# Altium PCB Kasli-DIOT.PCBDOC (part 4 of 21) (continued)
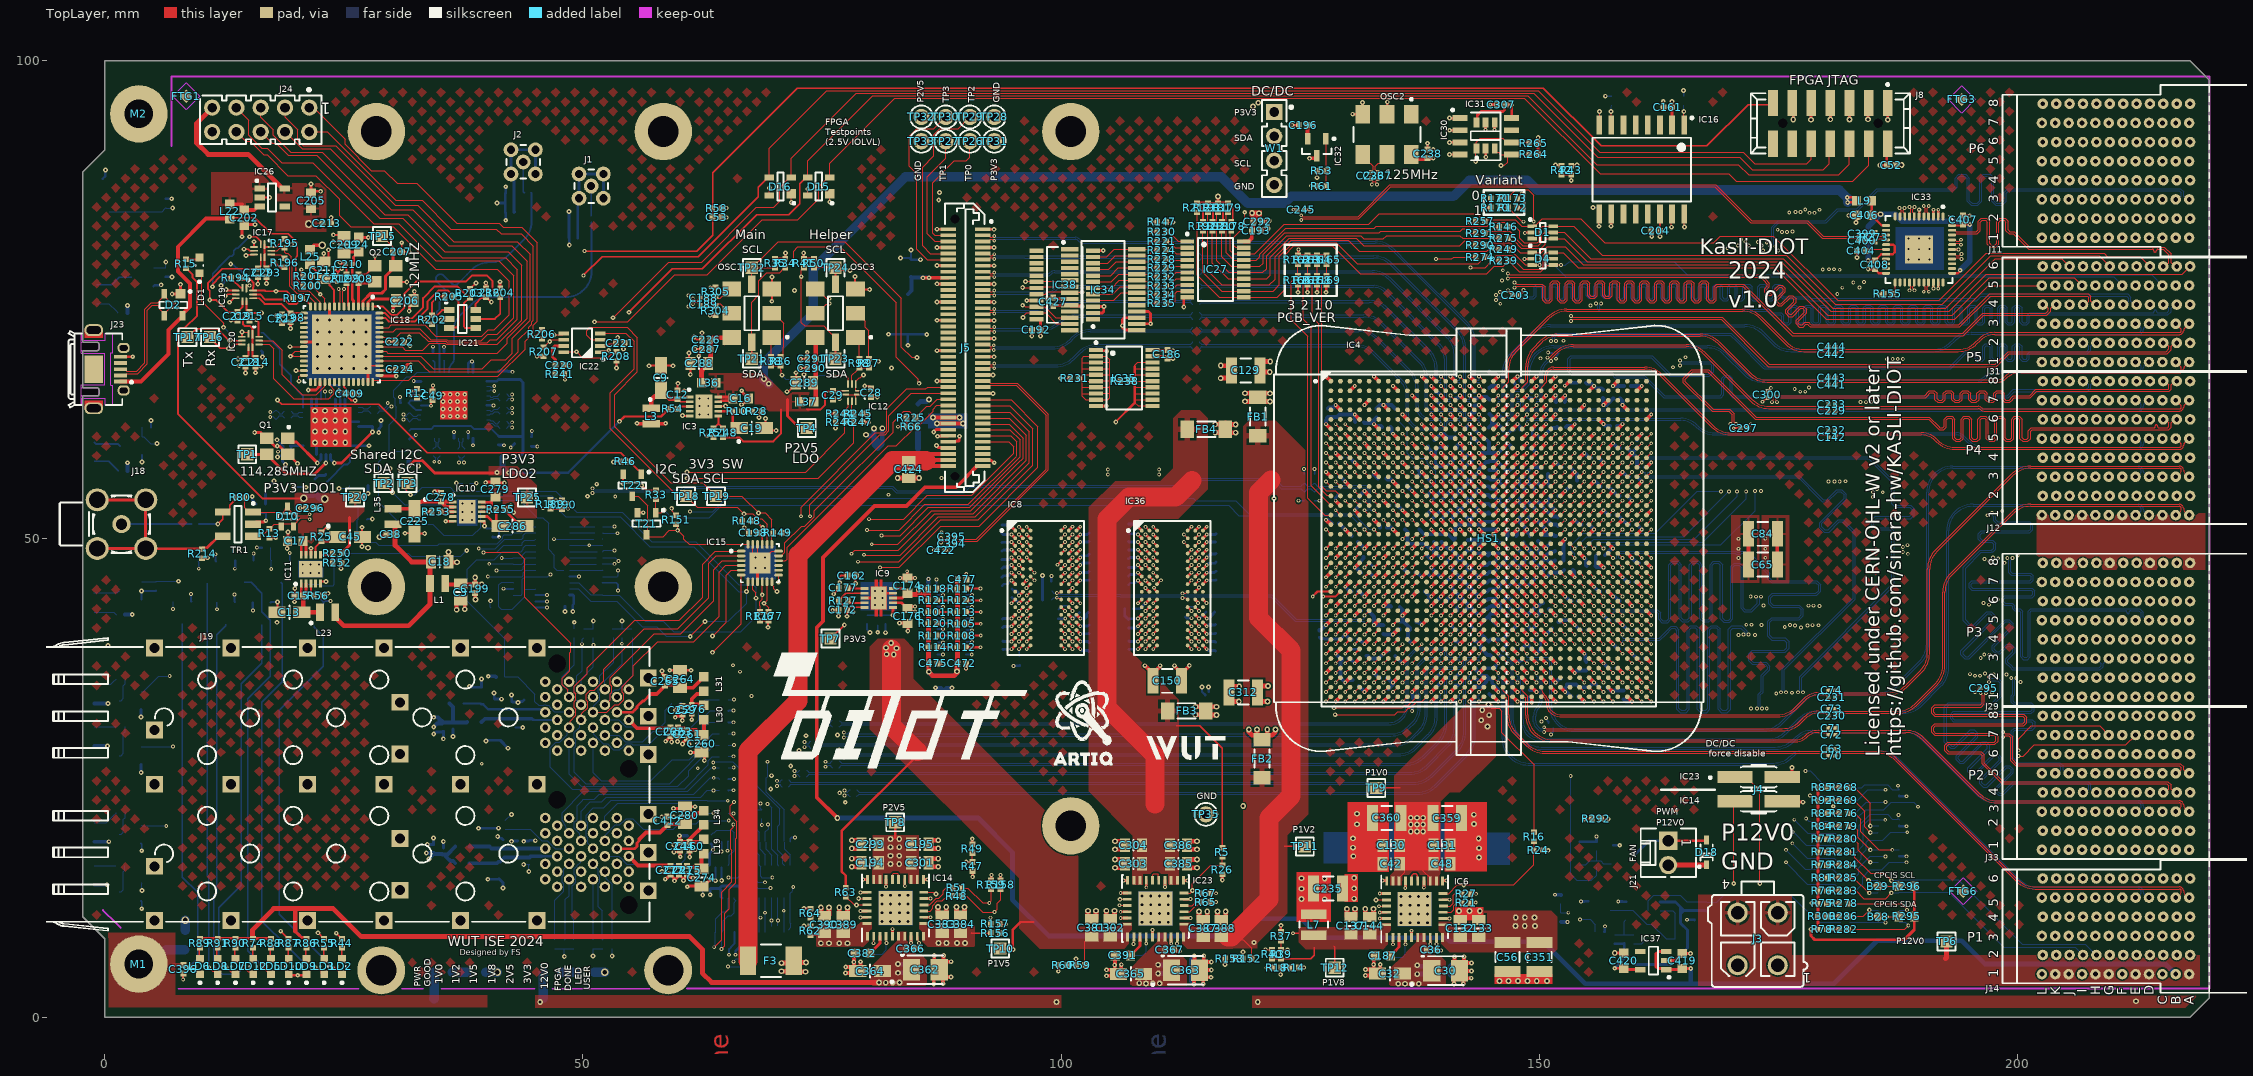
[diagram p0: TopLayer view]
## Part data (continued)
OSC2: library part OSC_125MHZ_SILICON-LAB_510FBA125M000AAG, "Crystal Oscillator 6 pins, Si510 (LVDS/LVPECL/HCSL/Dual CMOS)", Manufacturer="SILICON LABS", Manufacturer Part Number=510FBA125M000AAG, Author="CERN DEM JMW", Bonding=No, ComponentHeight=1.8mm, Component Type=Standard, CreateDate=2015-08-10, HelpURL=\\cern.ch\dfs\Applications\Altium\Datasheets\OSC_SILICON-LAB_SI510.pdf, LatestRevisionDate=2015-08-10, Mounted=Yes, PackageDescription="Oscillator Si510 Series, 6 pins, 5x7mm", Part Description="2.5V ±25ppm LVDS Crystal Oscillator (XO), Si510 Series", Part Number=OSC_125MHZ_SILICON-LAB_510FBA125M000AAG, Pin Count=6, PressFit=No, Sense=No, SMD=Yes, Socket=No
Plate1 Plate2 Plate3 Plate4: library part AMPHENOL_U77A11108000P, "Plastic Dust Cover SFP Cage", Manufacturer=AMPHENOL, Manufacturer Part Number=U77A11108000P, Author="CERN DEM BC", ComponentHeight=10.2mm, Component Type=Standard, CreateDate=28.10.2019, HelpURL=\\cern.ch\dfs\Applications\Altium\Datasheets\AMPHENOL_U77A11108000P.pdf, LatestRevisionDate=28.10.2019, Mounted=Yes, PackageDescription="Plastic Dust Cover SFP Cage", Part Description="Plastic Dust Cover SFP Cage", Part Number=AMPHENOL_U77A11108000P, Pin Count=0, PressFit=No, Sense=No, SMD=No, Socket=No, Status=None
Q1: library part XTAL_114.285MHZ_CONNOR_CS-023, "Crystal 4 pins 1=XTAL Control 2=GND3=XTAL 4=GND", Manufacturer=CONNOR-WINFIELD, Manufacturer Part Number=CS-023-114.285M, Author="CERN DEM JLC", Bonding=No, ComponentHeight=0.8mm, Component Type=Standard, CreateDate=2014-07-08, HelpURL=\\cern.ch\dfs\Applications\Altium\Datasheets\XTAL_CONNOR_CS-023.pdf, LatestRevisionDate=2014-07-08, Mounted=Yes, PackageDescription="4 Pins, 2.5x3.2mm, SMD Sealing Crystal, CS Series", Part Description="±20ppm 18pF -40°C to +85°C  4 Pins, 3.2x2.5X0.8mm, SMD Crystal Unit, CS-018 Series", Part Number=XTAL_114.285MHZ_CONNOR_CS-023, Pin Count=4, PressFit=No, Sense=No, SMD=Yes, Socket=No
Q2: library part XTAL_12MHZ_TXC_7M-12.000MAAJ-T, "Crystal 4 pins 1=XTAL Control 2=GND3=XTAL 4=GND", Manufacturer="TXC CORPORATION", Manufacturer Part Number=7M-12.000MAAJ-T, Author="CERN DEM JLC", Bonding=No, ComponentHeight=0.8mm, Component Type=Standard, CreateDate=19.06.2012, HelpURL=\\cern.ch\dfs\Applications\Altium\Datasheets\XTAL_TXC_7M.pdf, LatestRevisionDate=19.06.2012, Mounted=Yes, PackageDescription="4 Pins, 2.5x3.2mm, SMD Sealing Crystal, 7M Serie", Part Description="±30ppm 18pF -20°C to +70°C  4 Pins, 3.2x2.5X0.8mm, SMD Sealing Crystal, 7M Series", Part Number=XTAL_12MHZ_TXC_7M-12.000MAAJ-T, Pin Count=4, PressFit=No, Sense=No, SMD=Yes, Socket=No
R1 R2 R4 R5 R16 R18 R31 R33 R40 R46 R58 R60 R63 R66 R75 R76 R77 R78 R79 R81 R85 R92 R127 R128 R129 R130 R133 R134 R135 R136 R137 R138 R139 R140 R141 R144 R145 R151 R152 R153 R154 R155 R158 R159 R174 R176 R177 R183 R184 R185 R186 R187 R188 R189 R190 R193 R194 R195 R196 R197 R198 R201 R202 R203 R204 R206 R207 R209 R210 R211 R213 R215 R217 R218 R219 R222 R223 R225 R242 R243 R244 R245 R246 R247 R252 R256 R260 R261 R264 R265: library part R0402_10K_1%_0.0625W_100PPM, "Resistor - 1%", Case=0402, Manufacturer=GENERIC, Manufacturer1 ComponentHeight=0.4mm, Manufacturer1 Example="YAGEO PHYCOMP", Manufacturer1 Part Number=232270671003L, Power=0.0625W, Tolerance=±1%, Author="CERN DEM JLC", Component Type=Standard, HelpURL=\\cern.ch\dfs\Applications\Altium\Datasheets\R0402_Phycomp_RC0402.pdf, Manufacturer Part Number=R0402_10K_1%_0.0625W_100PPM, Mounted=Yes, Part Description="General Purpose Thick Film Chip Resistor", Part Number=R0402_10K_1%_0.0625W_100PPM, Pin Count=2, PressFit=No, Sense=No, SMD=Yes, Socket=No, Status="Not Recommended", TC=±100ppm/°C
  R1 R2 R4 R5 R16 R18 R31 R33 R40 R46 R60 R63 R66 R75 R76 R77 R78 R79 R81 R85 R92 R127 R128 R129 R130 R133 R134 R135 R136 R137 R138 R139 R140 R141 R144 R145 R151 R152 R153 R154 R155 R158 R159 R174 R176 R177 R183 R184 R185 R186 R187 R188 R189 R190 R193 R194 R195 R196 R197 R198 R201 R202 R203 R204 R206 R207 R209 R210 R211 R213 R215 R217 R218 R219 R222 R223 R225 R242 R243 R244 R245 R246 R247 R252 R256 R264 R265: CreateDate=03.12.2007, LatestRevisionDate=17.10.2012
  R58: ClassName=FPGA_JTAG, CreateDate=03.12.2007, LatestRevisionDate=17.10.2012
  R260 R261: CreateDate=03/12/2007, LatestRevisionDate=17/10/2012
R3 R6 R12 R273: library part R0402_100R_1%_0.0625W_100PPM, "Resistor - 1%", Case=0402, Manufacturer=GENERIC, Manufacturer1 ComponentHeight=0.4mm, Manufacturer1 Example="YAGEO PHYCOMP", Manufacturer1 Part Number=232270671001L, Power=0.0625W, Tolerance=±1%, Author="CERN DEM JLC", Component Type=Standard, CreateDate=03.12.2007, HelpURL=\\cern.ch\dfs\Applications\Altium\Datasheets\R0402_Phycomp_RC0402.pdf, LatestRevisionDate=17.10.2012, Manufacturer Part Number=R0402_100R_1%_0.0625W_100PPM, Mounted=Yes, Part Description="General Purpose Thick Film Chip Resistor", Part Number=R0402_100R_1%_0.0625W_100PPM, Pin Count=2, PressFit=No, Sense=No, SMD=Yes, Socket=No, Status="Not Recommended", TC=±100ppm/°C
R7 R8: library part R0402_49R9_1%_0.0625W_100PPM, "Resistor - 1%", Case=0402, Manufacturer=GENERIC, Manufacturer1 ComponentHeight=0.4mm, Manufacturer1 Example="YAGEO PHYCOMP", Manufacturer1 Part Number="232270674999L or RC0402FR-0749R9L", Power=0.0625W, Tolerance=±1%, Author="CERN DEM JLC", Component Type=Standard, CreateDate=24.10.2012, HelpURL=\\cern.ch\dfs\Applications\Altium\Datasheets\R0402_Phycomp_RC0402.pdf, LatestRevisionDate=24.10.2012, Manufacturer Part Number=R0402_49R9_1%_0.0625W_100PPM, Mounted=Yes, Part Description="General Purpose Thick Film Chip Resistor", Part Number=R0402_49R9_1%_0.0625W_100PPM, Pin Count=2, PressFit=No, Sense=No, SMD=Yes, Socket=No, Status="Not Recommended", TC=±100ppm/°C
R9: library part R0402_68R_1%_0.0625W_100PPM, "Resistor - 1%", Case=0402, Manufacturer=GENERIC, Manufacturer1 ComponentHeight=0.4mm, Manufacturer1 Example="YAGEO PHYCOMP", Manufacturer1 Part Number=232270676809L, Power=0.0625W, Tolerance=±1%, Author="CERN DEM JLC", Component Type=Standard, CreateDate=03.12.2007, HelpURL=\\cern.ch\dfs\Applications\Altium\Datasheets\R0402_Phycomp_RC0402.pdf, LatestRevisionDate=17.10.2012, Manufacturer Part Number=R0402_68R_1%_0.0625W_100PPM, Mounted=Yes, Part Description="General Purpose Thick Film Chip Resistor", Part Number=R0402_68R_1%_0.0625W_100PPM, Pin Count=2, PressFit=No, Sense=No, SMD=Yes, Socket=No, Status="Not Recommended", TC=±100ppm/°C
R10 R49: library part R0402_24K_1%_0.0625W_100PPM, "Resistor - 1%", Case=0402, Manufacturer=GENERIC, Manufacturer1 ComponentHeight=0.4mm, Manufacturer1 Example="YAGEO PHYCOMP", Manufacturer1 Part Number=232270672403L, Power=0.0625W, Tolerance=±1%, Author="CERN DEM JLC", Component Type=Standard, CreateDate=03.12.2007, HelpURL=\\cern.ch\dfs\Applications\Altium\Datasheets\R0402_Phycomp_RC0402.pdf, LatestRevisionDate=17.10.2012, Manufacturer Part Number=R0402_24K_1%_0.0625W_100PPM, Mounted=Yes, Part Description="General Purpose Thick Film Chip Resistor", Part Number=R0402_24K_1%_0.0625W_100PPM, Pin Count=2, PressFit=No, Sense=No, SMD=Yes, Socket=No, Status="Not Recommended", TC=±100ppm/°C
R11 R20 R99 R100 R142 R143 R216 R220 R226: library part R0402_240R_1%_0.0625W_100PPM, "Resistor - 1%", Case=0402, Manufacturer=GENERIC, Manufacturer1 ComponentHeight=0.4mm, Manufacturer1 Example="YAGEO PHYCOMP", Manufacturer1 Part Number=232270672401L, Power=0.0625W, Tolerance=±1%, Author="CERN DEM JLC", Component Type=Standard, HelpURL=\\cern.ch\dfs\Applications\Altium\Datasheets\R0402_Phycomp_RC0402.pdf, Manufacturer Part Number=R0402_240R_1%_0.0625W_100PPM, Mounted=Yes, Part Description="General Purpose Thick Film Chip Resistor", Part Number=R0402_240R_1%_0.0625W_100PPM, Pin Count=2, PressFit=No, Sense=No, SMD=Yes, Socket=No, Status="Not Recommended", TC=±100ppm/°C
  R11 R20 R142 R143 R216 R220 R226: CreateDate=03.12.2007, LatestRevisionDate=17.10.2012
  R99 R100: CreateDate=12/3/2007, LatestRevisionDate=10/17/2012
R13 R21 R27 R29 R30 R36 R38 R48 R51 R53 R54 R56 R65 R67 R80 R82 R97 R98 R131 R132 R146 R175 R214 R236 R237 R238 R239 R249 R253 R257 R274 R275 R290 R291 R292: library part R0402_0R_JUMPER, "Resistor", Case=0402, Manufacturer=GENERIC, Manufacturer1 ComponentHeight=0.4mm, Manufacturer1 Example="YAGEO PHYCOMP", Manufacturer1 Part Number=232270591001L, Author="CERN DEM JLC", Component Type=Standard, HelpURL=\\cern.ch\dfs\Applications\Altium\Datasheets\R0402_Phycomp_RC0402.pdf, Manufacturer Part Number=R0402_0R_JUMPER, Mounted=Yes, Part Description="1A (0.05R Max DC Resistance) Zero Ohm Jumper", Part Number=R0402_0R_JUMPER, Pin Count=2, PressFit=No, Sense=No, SMD=Yes, Socket=No, Status="Not Recommended"
  R13 R21 R27 R29 R30 R36 R38 R48 R51 R54 R56 R65 R67 R80 R82 R97 R98 R146 R175 R214 R236 R237 R238 R239 R249 R253 R257 R274 R275 R290 R291 R292: CreateDate=03.12.2007, LatestRevisionDate=17.10.2012
  R53: ClassName=Artix, CreateDate=03.12.2007, LatestRevisionDate=17.10.2012
  R131 R132: CreateDate=2007-12-03, LatestRevisionDate=2012-10-17
R14: library part R0402_20K_1%_0.0625W_100PPM, "Resistor - 1%", Case=0402, Manufacturer=GENERIC, Manufacturer1 ComponentHeight=0.4mm, Manufacturer1 Example="YAGEO PHYCOMP", Manufacturer1 Part Number=232270672003L, Power=0.0625W, Tolerance=±1%, Author="CERN DEM JLC", Component Type=Standard, CreateDate=03.12.2007, HelpURL=\\cern.ch\dfs\Applications\Altium\Datasheets\R0402_Phycomp_RC0402.pdf, LatestRevisionDate=17.10.2012, Manufacturer Part Number=R0402_20K_1%_0.0625W_100PPM, Mounted=Yes, Part Description="General Purpose Thick Film Chip Resistor", Part Number=R0402_20K_1%_0.0625W_100PPM, Pin Count=2, PressFit=No, Sense=No, SMD=Yes, Socket=No, Status="Not Recommended", TC=±100ppm/°C
R15 R44 R55 R87: library part R0402_1k_1%_0.0625W_100PPM, "Resistor - 1%", Case=0402, Manufacturer=GENERIC, Manufacturer1 ComponentHeight=0.4mm, Manufacturer1 Example="YAGEO PHYCOMP", Manufacturer1 Part Number=232270671002L, Manufacturer Part Number=R0402_1K_1%_0.0625W_100PPM, Power=0.0625W, Tolerance=±1%, Author="CERN DEM JLC", Component Type=Standard, CreateDate=03.12.2007, HelpURL=\\cern.ch\dfs\Applications\Altium\Datasheets\R0402_Phycomp_RC0402.pdf, LatestRevisionDate=17.10.2012, Mounted=Yes, Part Description="General Purpose Thick Film Chip Resistor", Part Number=R0402_1K_1%_0.0625W_100PPM, Pin Count=2, PressFit=No, Sense=No, SMD=Yes, Socket=No, Status="Not Recommended", TC=±100ppm/°C
  R44 R55: ClassName=Artix
R17 R73 R83 R84 R125 R300: library part R0402_4K7_1%_0.0625W_100PPM, "Resistor - 1%", Case=0402, Manufacturer=GENERIC, Manufacturer1 ComponentHeight=0.4mm, Manufacturer1 Example="YAGEO PHYCOMP", Manufacturer1 Part Number=232270674702L, Power=0.0625W, Tolerance=±1%, Author="CERN DEM JLC", Component Type=Standard, HelpURL=\\cern.ch\dfs\Applications\Altium\Datasheets\R0402_Phycomp_RC0402.pdf, Manufacturer Part Number=R0402_4K7_1%_0.0625W_100PPM, Mounted=Yes, Part Description="General Purpose Thick Film Chip Resistor", Part Number=R0402_4K7_1%_0.0625W_100PPM, Pin Count=2, PressFit=No, Sense=No, SMD=Yes, Socket=No, Status="Not Recommended", TC=±100ppm/°C
  R17 R125: CreateDate=03.12.2007, LatestRevisionDate=17.10.2012
  R73 R83 R84 R300: CreateDate=03-Dec-07, LatestRevisionDate=17-Oct-12
R19 R23 R34 R35 R41 R45 R50 R94 R95 R96 R148 R149 R200 R205 R208 R227: library part R0402_2K2_1%_0.0625W_100PPM, "Resistor - 1%", Case=0402, Manufacturer=GENERIC, Manufacturer1 ComponentHeight=0.4mm, Manufacturer1 Example="YAGEO PHYCOMP", Manufacturer1 Part Number=232270672202L, Power=0.0625W, Tolerance=±1%, Author="CERN DEM JLC", Component Type=Standard, CreateDate=03.12.2007, HelpURL=\\cern.ch\dfs\Applications\Altium\Datasheets\R0402_Phycomp_RC0402.pdf, LatestRevisionDate=17.10.2012, Manufacturer Part Number=R0402_2K2_1%_0.0625W_100PPM, Mounted=Yes, Part Description="General Purpose Thick Film Chip Resistor", Part Number=R0402_2K2_1%_0.0625W_100PPM, Pin Count=2, PressFit=No, Sense=No, SMD=Yes, Socket=No, Status="Not Recommended", TC=±100ppm/°C
  R19 R23 R45 R94 R95 R96 R227: ClassName=Artix
R22 R304 R305: library part R0402_200R_1%_0.0625W_100PPM, "Resistor - 1%", Case=0402, Manufacturer=GENERIC, Manufacturer1 ComponentHeight=0.4mm, Manufacturer1 Example="YAGEO PHYCOMP", Manufacturer1 Part Number=232270672001L, Power=0.0625W, Tolerance=±1%, Author="CERN DEM JLC", Component Type=Standard, CreateDate=03.12.2007, HelpURL=\\cern.ch\dfs\Applications\Altium\Datasheets\R0402_Phycomp_RC0402.pdf, LatestRevisionDate=17.10.2012, Manufacturer Part Number=R0402_200R_1%_0.0625W_100PPM, Mounted=Yes, Part Description="General Purpose Thick Film Chip Resistor", Part Number=R0402_200R_1%_0.0625W_100PPM, Pin Count=2, PressFit=No, Sense=No, SMD=Yes, Socket=No, Status="Not Recommended", TC=±100ppm/°C
R24 R26 R32 R39 R59 R64: library part R0402_15K_1%_0.0625W_100PPM, "Resistor - 1%", Case=0402, Manufacturer=GENERIC, Manufacturer1 ComponentHeight=0.4mm, Manufacturer1 Example=VISHAY, Manufacturer1 Part Number=CRCW040215K0FK, Power=0.0625W, Tolerance=±1%, Author="CERN DEM JMW", Component Type=Standard, CreateDate=06.07.2015, HelpURL="\\cern.ch\dfs\Applications\Altium\Datasheets\R0402_VISHAY_CRCW e3.pdf", LatestRevisionDate=06.07.2015, Manufacturer Part Number=R0402_15K_1%_0.0625W_100PPM, Mounted=Yes, Part Description="General Purpose Thick Film Chip Resistor", Part Number=R0402_15K_1%_0.0625W_100PPM, Pin Count=2, PressFit=No, Sense=No, SMD=Yes, Socket=No, Status=Preferred, TC=±100ppm/°C
R25 R255: library part R0402_33K_1%_0.0625W_100PPM, "Resistor - 1%", Case=0402, Manufacturer=GENERIC, Manufacturer1 ComponentHeight=0.4mm, Manufacturer1 Example="YAGEO PHYCOMP", Manufacturer1 Part Number=232270673303L, Power=0.0625W, Tolerance=±1%, Author="CERN DEM JLC", Component Type=Standard, CreateDate=12/3/2007, HelpURL=\\cern.ch\dfs\Applications\Altium\Datasheets\R0402_Phycomp_RC0402.pdf, LatestRevisionDate=10/17/2012, Manufacturer Part Number=R0402_33K_1%_0.0625W_100PPM, Mounted=Yes, Part Description="General Purpose Thick Film Chip Resistor", Part Number=R0402_33K_1%_0.0625W_100PPM, Pin Count=2, PressFit=No, Sense=No, SMD=Yes, Socket=No, Status="Not Recommended", TC=±100ppm/°C
R28 R42 R43 R52 R61 R147 R221 R224 R228 R229 R230 R231 R232 R233 R234 R235 R258 R259: library part R0402_1K_1%_0.0625W_100PPM, "Resistor - 1%", Case=0402, Manufacturer=GENERIC, Manufacturer1 ComponentHeight=0.4mm, Manufacturer1 Example="YAGEO PHYCOMP", Manufacturer1 Part Number=232270671002L, Power=0.0625W, Tolerance=±1%, Author="CERN DEM JLC", Component Type=Standard, HelpURL=\\cern.ch\dfs\Applications\Altium\Datasheets\R0402_Phycomp_RC0402.pdf, Manufacturer Part Number=R0402_1K_1%_0.0625W_100PPM, Mounted=Yes, Part Description="General Purpose Thick Film Chip Resistor", Part Number=R0402_1K_1%_0.0625W_100PPM, Pin Count=2, PressFit=No, Sense=No, SMD=Yes, Socket=No, Status="Not Recommended", TC=±100ppm/°C
  R28: CreateDate=03.12.2007, LatestRevisionDate=17.10.2012
  R42 R43 R52 R61 R147 R221 R224 R228 R229 R230 R231 R232 R233 R234 R235: ClassName=Artix, CreateDate=03.12.2007, LatestRevisionDate=17.10.2012
  R258 R259: CreateDate=03/12/2007, LatestRevisionDate=17/10/2012
R37 R47: library part R0402_7K5_1%_0.0625W_100PPM, "Resistor - 1%", Case=0402, Manufacturer=GENERIC, Manufacturer1 ComponentHeight=0.4mm, Manufacturer1 Example="YAGEO PHYCOMP", Manufacturer1 Part Number=232270677502L, Power=0.0625W, Tolerance=±1%, Author="CERN DEM JLC", Component Type=Standard, CreateDate=03.12.2007, HelpURL=\\cern.ch\dfs\Applications\Altium\Datasheets\R0402_Phycomp_RC0402.pdf, LatestRevisionDate=17.10.2012, Manufacturer Part Number=R0402_7K5_1%_0.0625W_100PPM, Mounted=Yes, Part Description="General Purpose Thick Film Chip Resistor", Part Number=R0402_7K5_1%_0.0625W_100PPM, Pin Count=2, PressFit=No, Sense=No, SMD=Yes, Socket=No, Status="Not Recommended", TC=±100ppm/°C
R57: library part R0402_300R_1%_0.0625W_100PPM, "Resistor - 1%", Case=0402, Manufacturer=GENERIC, Manufacturer1 ComponentHeight=0.4mm, Manufacturer1 Example="YAGEO PHYCOMP", Manufacturer1 Part Number=232270673001L, Power=0.0625W, Tolerance=±1%, Author="CERN DEM JLC", Component Type=Standard, CreateDate=03.12.2007, HelpURL=\\cern.ch\dfs\Applications\Altium\Datasheets\R0402_Phycomp_RC0402.pdf, LatestRevisionDate=17.10.2012, Manufacturer Part Number=R0402_300R_1%_0.0625W_100PPM, Mounted=Yes, Part Description="General Purpose Thick Film Chip Resistor", Part Number=R0402_300R_1%_0.0625W_100PPM, Pin Count=2, PressFit=No, Sense=No, SMD=Yes, Socket=No, Status="Not Recommended", TC=±100ppm/°C
R62: library part R0402_68K_1%_0.0625W_100PPM, "Resistor - 1%", Case=0402, Manufacturer=GENERIC, Manufacturer1 ComponentHeight=0.4mm, Manufacturer1 Example="YAGEO PHYCOMP", Manufacturer1 Part Number=232270676803L, Power=0.0625W, Tolerance=±1%, Author="CERN DEM JLC", Component Type=Standard, CreateDate=03.12.2007, HelpURL=\\cern.ch\dfs\Applications\Altium\Datasheets\R0402_Phycomp_RC0402.pdf, LatestRevisionDate=17.10.2012, Manufacturer Part Number=R0402_68K_1%_0.0625W_100PPM, Mounted=Yes, Part Description="General Purpose Thick Film Chip Resistor", Part Number=R0402_68K_1%_0.0625W_100PPM, Pin Count=2, PressFit=No, Sense=No, SMD=Yes, Socket=No, Status="Not Recommended", TC=±100ppm/°C
R68: library part R0805_1M1_1%_0.125W_100PPM, "Resistor - 1%", Case=0805, Manufacturer=GENERIC, Manufacturer1 ComponentHeight=0.6mm, Manufacturer1 Example="NIC COMPONENT", Manufacturer1 Part Number=NRC10F1104TRF, Power=0.125W, Tolerance=±1%, Author="CERN DEM JLC", Component Type=Standard, CreateDate=03/12/2007, HelpURL=\\cern.ch\dfs\Applications\Altium\Datasheets\R0805_NIC_NRC.pdf, LatestRevisionDate=13/03/2008, Manufacturer Part Number=R0805_1M1_1%_0.125W_100PPM, Mounted=Yes, Part Description="General Purpose Thick Film Chip Resistor", Part Number=R0805_1M1_1%_0.125W_100PPM, Pin Count=2, PressFit=No, Sense=No, SMD=Yes, Socket=No, Status=Preferred, TC=±100ppm/°C
R69 R70 R71 R72: library part "R0805_4M7_1%_0.125W_100PPM_VISHAY_CRCW e3", "Resistor - 1%", Case=0805, Manufacturer=VISHAY, Manufacturer Part Number=CRCW08054M70FKEA, Power=0.125W, Tolerance=±1%, Author="CERN DEM BR", Component Type=Standard, ComponentHeight=0.5mm, CreateDate=27/05/2019, HelpURL="\\cern.ch\dfs\Applications\Altium\Datasheets\R0805_VISHAY_CRCW e3.pdf", LatestRevisionDate=27/05/2019, Mounted=Yes, Part Description="150V, Standard Thick Film Chip Resistor", Part Number="R0805_4M7_1%_0.125W_100PPM_VISHAY_CRCW e3", Pin Count=2, PressFit=No, Sense=No, SMD=Yes, Socket=No, Status=None, TC=±100ppm/°C
R74 R86 R88 R89 R90 R91 R150 R162 R163 R164 R165 R166 R167 R168 R169 R170 R171 R172 R173 R289: library part R0402_10k_1%_0.0625W_100PPM, "Resistor - 1%", Case=0402, Manufacturer=GENERIC, Manufacturer1 ComponentHeight=0.4mm, Manufacturer1 Example="YAGEO PHYCOMP", Manufacturer1 Part Number=232270671003L, Manufacturer Part Number=R0402_10K_1%_0.0625W_100PPM, Power=0.0625W, Tolerance=±1%, Author="CERN DEM JLC", Component Type=Standard, CreateDate=03.12.2007, HelpURL=\\cern.ch\dfs\Applications\Altium\Datasheets\R0402_Phycomp_RC0402.pdf, LatestRevisionDate=17.10.2012, Part Description="General Purpose Thick Film Chip Resistor", Part Number=R0402_10K_1%_0.0625W_100PPM, Pin Count=2, PressFit=No, Sense=No, SMD=Yes, Socket=No, Status="Not Recommended", TC=±100ppm/°C
  R74 R86 R88 R89 R90 R91 R150 R165 R166 R167 R168 R172 R173 R289: Mounted=Yes
  R162 R163 R164 R169 R170 R171: Mounted=No
R93: library part R0402_210K_1%_0.063W_100PPM, "Resistor - 1%", Case=0402, Manufacturer=GENERIC, Manufacturer1 ComponentHeight=0.4mm, Manufacturer1 Example=VISHAY, Manufacturer1 Part Number=CRCW0402210KFK, Power=0.063W, Tolerance=±1%, Author="CERN DEM BC", Component Type=Standard, CreateDate=08/02/2021, HelpURL="\\cern.ch\dfs\Applications\Altium\Datasheets\R0402_VISHAY_CRCW e3.pdf", LatestRevisionDate=08/02/2021, Manufacturer Part Number=R0402_210K_1%_0.063W_100PPM, Mounted=Yes, Part Description="General Purpose Thick Film Chip Resistor", Part Number=R0402_210K_1%_0.063W_100PPM, Pin Count=2, PressFit=No, Sense=No, SMD=Yes, Socket=No, Status=None, TC=±100ppm/°C
R101 R102 R103 R104 R105 R106 R107 R108 R109 R110 R111 R112 R113 R114 R115 R116 R117 R118 R119 R120 R121 R122 R123 R124 R126 R298: library part R0402_39R_1%_0.0625W_100PPM, "Resistor - 1%", Case=0402, Manufacturer=GENERIC, Manufacturer1 ComponentHeight=0.4mm, Manufacturer1 Example="YAGEO PHYCOMP", Manufacturer1 Part Number=232270673909L, Power=0.0625W, Tolerance=±1%, Author="CERN DEM JLC", Component Type=Standard, CreateDate=03.12.2007, HelpURL=\\cern.ch\dfs\Applications\Altium\Datasheets\R0402_Phycomp_RC0402.pdf, LatestRevisionDate=17.10.2012, Manufacturer Part Number=R0402_39R_1%_0.0625W_100PPM, Mounted=Yes, Part Description="General Purpose Thick Film Chip Resistor", Part Number=R0402_39R_1%_0.0625W_100PPM, Pin Count=2, PressFit=No, Sense=No, SMD=Yes, Socket=No, Status="Not Recommended", TC=±100ppm/°C
R156: library part R0402_11K_1%_0.0625W_100PPM, "Resistor - 1%", Case=0402, Manufacturer=GENERIC, Manufacturer1 ComponentHeight=0.4mm, Manufacturer1 Example="YAGEO PHYCOMP", Manufacturer1 Part Number=232270671103L, Power=0.0625W, Tolerance=±1%, Author="CERN DEM JLC", Component Type=Standard, CreateDate=03.12.2007, HelpURL=\\cern.ch\dfs\Applications\Altium\Datasheets\R0402_Phycomp_RC0402.pdf, LatestRevisionDate=17.10.2012, Manufacturer Part Number=R0402_11K_1%_0.0625W_100PPM, Mounted=Yes, Part Description="General Purpose Thick Film Chip Resistor", Part Number=R0402_11K_1%_0.0625W_100PPM, Pin Count=2, PressFit=No, Sense=No, SMD=Yes, Socket=No, Status="Not Recommended", TC=±100ppm/°C
R157: library part R0402_1K5_1%_0.0625W_100PPM, "Resistor - 1%", Case=0402, Manufacturer=GENERIC, Manufacturer1 ComponentHeight=0.4mm, Manufacturer1 Example="YAGEO PHYCOMP", Manufacturer1 Part Number=232270671502L, Power=0.0625W, Tolerance=±1%, Author="CERN DEM JLC", Component Type=Standard, CreateDate=03.12.2007, HelpURL=\\cern.ch\dfs\Applications\Altium\Datasheets\R0402_Phycomp_RC0402.pdf, LatestRevisionDate=17.10.2012, Manufacturer Part Number=R0402_1K5_1%_0.0625W_100PPM, Mounted=Yes, Part Description="General Purpose Thick Film Chip Resistor", Part Number=R0402_1K5_1%_0.0625W_100PPM, Pin Count=2, PressFit=No, Sense=No, SMD=Yes, Socket=No, Status="Not Recommended", TC=±100ppm/°C
R160 R161: library part R0201_100R_1%_0.05W_200PPM, "Resistor - 1%", Case=0201, Manufacturer=GENERIC, Manufacturer1 ComponentHeight=0.27mm, Manufacturer1 Example=VISHAY, Manufacturer1 Part Number=CRCW0201100RFNED, Power=0.05W, Tolerance=±1%, Author="CERN DEM JLC", Component Type=Standard, CreateDate=13.11.2014, HelpURL="\\cern.ch\dfs\Applications\Altium\Datasheets\R0201_VISHAY_CRCW e3.pdf", LatestRevisionDate=13.11.2014, Manufacturer Part Number=R0201_100R_1%_0.05W_200PPM, Mounted=Yes, Part Description="Thick Film Chip Resistor", Part Number=R0201_100R_1%_0.05W_200PPM, Pin Count=2, PressFit=No, Sense=No, SMD=Yes, Socket=No, Status="Not Recommended", TC=±200ppm/°C
R178 R179 R180 R181 R182 R191 R192 R212: library part R0402_47K_1%_0.0625W_100PPM, "Resistor - 1%", Case=0402, Manufacturer=GENERIC, Manufacturer1 ComponentHeight=0.4mm, Manufacturer1 Example="YAGEO PHYCOMP", Manufacturer1 Part Number=232270674703L, Power=0.0625W, Tolerance=±1%, Author="CERN DEM JLC", Component Type=Standard, CreateDate=03.12.2007, HelpURL=\\cern.ch\dfs\Applications\Altium\Datasheets\R0402_Phycomp_RC0402.pdf, LatestRevisionDate=17.10.2012, Manufacturer Part Number=R0402_47K_1%_0.0625W_100PPM, Mounted=Yes, Part Description="General Purpose Thick Film Chip Resistor", Part Number=R0402_47K_1%_0.0625W_100PPM, Pin Count=2, PressFit=No, Sense=No, SMD=Yes, Socket=No, Status="Not Recommended", TC=±100ppm/°C
R199: library part R0402_12K_1%_0.0625W_100PPM, "Resistor - 1%", Case=0402, Manufacturer=GENERIC, Manufacturer1 ComponentHeight=0.4mm, Manufacturer1 Example="YAGEO PHYCOMP", Manufacturer1 Part Number=232270671203L, Power=0.0625W, Tolerance=±1%, Author="CERN DEM JLC", Component Type=Standard, CreateDate=03.12.2007, HelpURL=\\cern.ch\dfs\Applications\Altium\Datasheets\R0402_Phycomp_RC0402.pdf, LatestRevisionDate=17.10.2012, Manufacturer Part Number=R0402_12K_1%_0.0625W_100PPM, Mounted=Yes, Part Description="General Purpose Thick Film Chip Resistor", Part Number=R0402_12K_1%_0.0625W_100PPM, Pin Count=2, PressFit=No, Sense=No, SMD=Yes, Socket=No, Status="Not Recommended", TC=±100ppm/°C
R241: library part R0402_200K_1%_0.0625W_100PPM, "Resistor - 1%", Case=0402, Manufacturer=GENERIC, Manufacturer1 ComponentHeight=0.4mm, Manufacturer1 Example="YAGEO PHYCOMP", Manufacturer1 Part Number=232270672004L, Power=0.0625W, Tolerance=±1%, Author="CERN DEM JLC", Component Type=Standard, CreateDate=03.12.2007, HelpURL=\\cern.ch\dfs\Applications\Altium\Datasheets\R0402_Phycomp_RC0402.pdf, LatestRevisionDate=17.10.2012, Manufacturer Part Number=R0402_200K_1%_0.0625W_100PPM, Mounted=Yes, Part Description="General Purpose Thick Film Chip Resistor", Part Number=R0402_200K_1%_0.0625W_100PPM, Pin Count=2, PressFit=No, Sense=No, SMD=Yes, Socket=No, Status="Not Recommended", TC=±100ppm/°C
R248: library part R0402_430K_1%_0.0625W_100PPM, "Resistor - 1%", Case=0402, Manufacturer=GENERIC, Manufacturer1 ComponentHeight=0.4mm, Manufacturer1 Example="YAGEO PHYCOMP", Manufacturer1 Part Number=232270674304L, Power=0.0625W, Tolerance=±1%, Author="CERN DEM JLC", Component Type=Standard, CreateDate=03.12.2007, HelpURL=\\cern.ch\dfs\Applications\Altium\Datasheets\R0402_Phycomp_RC0402.pdf, LatestRevisionDate=17.10.2012, Manufacturer Part Number=R0402_430K_1%_0.0625W_100PPM, Mounted=Yes, Part Description="General Purpose Thick Film Chip Resistor", Part Number=R0402_430K_1%_0.0625W_100PPM, Pin Count=2, PressFit=No, Sense=No, SMD=Yes, Socket=No, Status="Not Recommended", TC=±100ppm/°C
R250 R251 R254: library part R0402_82K_1%_0.0625W_100PPM, "Resistor - 1%", Case=0402, Manufacturer=GENERIC, Manufacturer1 ComponentHeight=0.4mm, Manufacturer1 Example="YAGEO PHYCOMP", Manufacturer1 Part Number=232270678203L, Power=0.0625W, Tolerance=±1%, Author="CERN DEM JLC", Component Type=Standard, CreateDate=03.12.2007, HelpURL=\\cern.ch\dfs\Applications\Altium\Datasheets\R0402_Phycomp_RC0402.pdf, LatestRevisionDate=17.10.2012, Manufacturer Part Number=R0402_82K_1%_0.0625W_100PPM, Mounted=Yes, Part Description="General Purpose Thick Film Chip Resistor", Part Number=R0402_82K_1%_0.0625W_100PPM, Pin Count=2, PressFit=No, Sense=No, SMD=Yes, Socket=No, Status="Not Recommended", TC=±100ppm/°C
R262 R263 R266 R267 R268 R269 R270 R271 R272 R276 R277 R278 R279 R280 R281 R282 R283 R284 R285 R286 R287 R288: library part R0402_22R_1%_0.0625W_100PPM, "Resistor - 1%", Case=0402, Manufacturer=GENERIC, Manufacturer1 ComponentHeight=0.4mm, Manufacturer1 Example="YAGEO PHYCOMP", Manufacturer1 Part Number=232270672209L, Power=0.0625W, Tolerance=±1%, Author="CERN DEM JLC", Component Type=Standard, CreateDate=03.12.2007, HelpURL=\\cern.ch\dfs\Applications\Altium\Datasheets\R0402_Phycomp_RC0402.pdf, LatestRevisionDate=17.10.2012, Manufacturer Part Number=R0402_22R_1%_0.0625W_100PPM, Mounted=Yes, Part Description="General Purpose Thick Film Chip Resistor", Part Number=R0402_22R_1%_0.0625W_100PPM, Pin Count=2, PressFit=No, Sense=No, SMD=Yes, Socket=No, Status="Not Recommended", TC=±100ppm/°C
R295 R296: library part R0603_2K21_0.1%_0.063W_10PPM, "Resistor - 0.1%", Case=0603, Manufacturer=GENERIC, Manufacturer1 ComponentHeight=0.5mm, Manufacturer1 Example="TYCO HOLSWORTHY", Manufacturer1 Part Number=RN73C1J2K21BTDF, Power=0.063W, Tolerance=±0.1%, Author="CERN DEM JLC", Component Type=Standard, CreateDate=03.12.2007, HelpURL=\\cern.ch\dfs\Applications\Altium\Datasheets\R0603_Tyco_RN73.pdf, LatestRevisionDate=13.03.2008, Manufacturer Part Number=R0603_2K21_0.1%_0.063W_10PPM, Mounted=Yes, Part Description="Thin Film Chip Resistor", Part Number=R0603_2K21_0.1%_0.063W_10PPM, Pin Count=2, PressFit=No, Sense=No, SMD=Yes, Socket=No, Status="Not Recommended", TC=±10ppm
SW1: library part SW_OMRON_B3U-3000PM, "1 Ways SPST DIP Switch", Manufacturer=OMRON, Manufacturer Part Number=B3U-3000PM, Author="CERN DEM HF", Component Type=Standard, ComponentHeight=1.35mm, CreateDate=04.10.2022, Family=Switch, HelpURL=\\cern.ch\dfs\Applications\Altium\Datasheets\SW_OMRON_B3U.pdf, LatestRevisionDate=04.10.2022, Mounted=Yes, PackageDescription="Body 3.2x4.0mm, SPST Surface-Mounting Tactile Switch with Side Actuator (B3U Series)", Part Description="Ultra-small Surface-mounting Tactile Switche with High Contact Reliability, Side-actuated, Contact Rating 50mA 12VDC", Part Number=SW_OMRON_B3U-3000PM, Pin Count=2, PressFit=No, Sense=Yes, Sense Comment=Non-washable, SMD=Yes, Socket=No, Status=None
T1 T2 T3 T4 T7 T8 T9 T10 T11 T12 T13 T14 T15 T16 T17 T18 T19 T20 T21 T22: "N-CHANNEL MOSFET WITH DIODE", Case=SOT23-3, Manufacturer=NEXPERIA, Author="CERN DEM JLC", Bonding=No, ComponentHeight=1.1mm, Component Type=Standard, CreateDate=16.03.2010, Device=BSH103, HelpURL=\\cern.ch\dfs\Applications\Altium\Datasheets\BSH103.pdf, LatestRevisionDate=20.06.2017, Manufacturer Part Number=BSH103, Mounted=Yes, PackageDescription="SOT23, 3 pin, Pitch 0.95mm - 1.3mm W X 2.9mm L X 1.1mm H, IPC Medium Density", Part Description="30V 850mA N-Channel Enhancement Mode Field-Effect Transistor", Part Number=BSH103, Pin Count=3, PressFit=No, Sense=No, SMD=Yes, Socket=No
  T2 T3 T4 T12 T19 T20 T21 T22: ClassName=Artix
T5 T23 T24: "N-CHANNEL MOSFET WITH DIODE", Case=SOT23-3, Manufacturer="ON SEMICONDUCTOR", Manufacturer Part Number=BSS138L, Author="CERN DEM JLC", Bonding=No, Component Type=Standard, ComponentHeight=1.11mm, CreateDate=23/03/2009, Device=BSS138LT1G, HelpURL=\\cern.ch\dfs\Applications\Altium\Datasheets\BSS138LT1G.pdf, LatestRevisionDate=25/05/2022, Mounted=Yes, PackageDescription="SOT23, 0.95mm Pitch; 3 Pin, 1.40mm W X 3.00mm L X 1.10mm H body, IPC Medium Density", Part Description="50V, 200mA N-Channel Enhancement Mode Field-Effect Transistor", Part Number=BSS138LT1G, Pin Count=3, PressFit=No, Sense=No, SMD=Yes, Socket=No
TP1 TP2 TP3 TP4 TP5 TP6 TP7 TP8 TP9 TP10 TP11 TP12 TP15 TP16 TP17 TP18 TP19 TP20 TP21 TP22 TP23 TP24 TP25 TP34 TP36: library part SMD_PAD_1.27X1.27MM, Author="CERN DEM JLC", ComponentHeight=0mm, Component Type="Standard (No BOM)", CreateDate=12.01.2008, Family="Test Point", HelpURL=Undefined, LatestRevisionDate=12.01.2008, Mounted=No, PackageDescription="1.27mm x 1.27mm PCB Copper Area (SMD Test Point)", Part Description="1.27mm x 1.27mm PCB Copper Area (SMD Test Point)", Part Number=SMD_PAD_1.27X1.27MM, Pin Count=1, Sense=No, SMD=Yes, Socket=No, Status=None
TP26 TP27 TP28 TP29 TP30 TP31 TP32 TP33 TP35: library part PLATED_HOLE1.0_PAD1.7, "Single Terminal Socket", Author="CERN DEM JLC", ComponentHeight=0mm, Component Type="Standard (No BOM)", CreateDate=11.05.2017, Family="Plated Hole", HelpURL=Undefined, LatestRevisionDate=11.05.2017, Mounted=No, PackageDescription="Plated Through Hole: Hole Dia.=1.0mm Pad Dia.=1.7mm,  IPC-7251 Level A", Part Description="Plated Through Hole: Hole Dia.=1.0mm Pad Dia.=1.7mm,  IPC-7251 Level A", Part Number=PLATED_HOLE1.0_PAD1.7, Pin Count=1, Sense=No, SMD=No, Socket=No, Status=None
TR1: library part XFMR_MINI-CIRCUITS_TC2-1TX+, "50 Ohms 3 to 300MHz RF Transformer", Manufacturer=MINI-CIRCUITS, Manufacturer Part Number=TC2-1TX+, Author="CERN DEM MR", Component Type=Standard, ComponentHeight=4.06mm, CreateDate=18.10.2019, HelpURL=\\cern.ch\dfs\Applications\Altium\Datasheets\XFMR_MINI-CIRCUITS_TC2-1TX+.pdf, LatestRevisionDate=18.10.2019, Mounted=Yes, Part Description="50 Ohms 3 to 300MHz RF Transformer", Part Number=XFMR_MINI-CIRCUITS_TC2-1TX+, Pin Count=5, Sense=No, SMD=Yes, Socket=No, Status=None
W1: library part SAMTEC_HTSW-104-23-L-S, "4 Mini Wire-Wrap Contact Strip Header", Manufacturer=SAMTEC, Manufacturer Part Number=HTSW-104-23-L-S, Author="CERN DEM JLC", Component Type=Standard, ComponentHeight=8.38mm, CreateDate=22/02/2018, Family="Header 4", HelpURL=\\cern.ch\dfs\Applications\Altium\Datasheets\SAMTEC_HTSW-104-23-L-S.pdf, LatestRevisionDate=22/02/2018, Mounted=Yes, Part Description="4 Contacts, Pitch 2.54mm, Single Row  Through Mount Straight Header (Post Lead 5.84mm, Tail Lead 2.92mm, Insulator 2.54mm)", Part Number=SAMTEC_HTSW-104-23-L-S, Pin Count=4, PressFit=No, Sense=No, SMD=No, Socket=No, Status=Preferred, Status Comment="High Temperature"
WASHER1 WASHER2: library part Keystone_7687, "SMA_Shoulder Washer", Manufacturer=Keystone, Manufacturer Part Number=7687, Part Number="Keystone 7687", Author=GK, Component Type=Mechanical, ComponentHeight=1.91mm, CreateDate=28.01.2016, HelpURL=\\cern.ch\dfs\Applications\Altium\Datasheets\AAVID-THERMALLOY_7721-7PPSG.pdf, LatestRevisionDate=28.01.2016, Mounted=Yes, PackageDescription="Polyphenylene Sulfide PPS Shoulder Washer", Part Description="Polyphenylene Sulfide PPS Shoulder Washer", Pin Count=0, PressFit=No, Sense=No, SMD=No, Socket=No, Status=None

## Free pads (board coordinates)
  round 5 hole 3.2: 0(58.908,4.896) 3(28.908,4.896)
  round 6 hole 3.2: 1(58.4,92.6) 1(58.4,45) 1(101,20) 1(101,92.6) 2(28.4,92.6) 2(28.4,45)

## Via types
v1: diameter 0.4, hole 0.2, TopLayer to BottomLayer, tented both sides, 1661 vias
v2: diameter 0.5, hole 0.2, TopLayer to BottomLayer, tented both sides, 516 vias
v3: diameter 0.6, hole 0.3, TopLayer to BottomLayer, tented both sides, 175 vias
v4: diameter 0.6, hole 0.3, TopLayer to BottomLayer, 113 vias
v5: diameter 0.5, hole 0.2, TopLayer to BottomLayer, 110 vias
v6: diameter 0.4, hole 0.2, TopLayer to BottomLayer, 67 vias
v7: diameter 0.8, hole 0.5, TopLayer to BottomLayer, tented both sides, 7 vias

## Nets (pads, with @x,y where several pads share a name; then routed paths per layer and width w, separated by ;. In a path a pad name is that pad's centre, name@x,y a point inside that pad or via, vN(x,y) a via of type N, cw(c..) or ccw(c..) an arc to the next point about the centre after c; other vN are vias at no path point)
1_PE_CLK_N: IC33.37 J31.B5 | length 28.6
  TopLayer w0.095: IC33.37@193.15,79.275 193.444,79.275 193.583,79.414 193.745,79.414 193.749,79.41 193.92,79.41 194.073,79.257 v1(194.128,79.257)
  Layer 3 w0.075: v1(194.128,79.257) 194.172,79.257 194.335,79.42 195.095,79.42 196,78.514 197.114,77.4 198.83,77.4 199.011,77.4 199.31,77.7 199.31,77.927 199.492,78.108 199.854,78.108 200.035,77.927 200.035,76.992 200.335,76.692 200.865,76.692 201.164,76.992 201.164,77.219 201.346,77.4 201.967,77.4 215.342,77.4 215.605,77.4 cw(c215.605,77.288) 215.717,77.288 215.717,77.249 ccw(c215.83,77.249) 215.83,77.137 ccw(c215.83,77.249) 215.942,77.249 215.942,77.288 cw(c216.055,77.288) 216.055,77.4 216.735,77.4 217.038,77.4 217.138,77.3 217.138,77.001 217.138,76.855 216.783,76.5 J31.B5@216.539,76.5
1_PE_CLK_P: IC33.38 J31.A5 | length 28.6
  TopLayer w0.095: IC33.38@193.15,79.775 193.444,79.775 193.583,79.636 193.837,79.636 193.841,79.632 193.92,79.632 194.073,79.784 v1(194.128,79.784)
  Layer 3 w0.075: v1(194.128,79.784) 194.172,79.784 194.335,79.622 195.178,79.622 196.084,78.716 197.198,77.602 198.83,77.602 198.927,77.602 199.108,77.783 199.108,78.01 199.408,78.31 199.938,78.31 200.237,78.01 200.237,77.075 200.419,76.894 200.781,76.894 200.962,77.075 200.962,77.302 201.262,77.602 201.967,77.602 217.121,77.602 217.34,77.384 217.34,76.917 217.34,76.855 217.695,76.5 J31.A5@217.939,76.5
1_SERVMOD: D4.4 IC27.11 J31.C5 R212.1 R239.2 | length 116.6
  TopLayer w0.127: R212.1@114.224,84.143 114.207,84.126 114.207,77.565 116.511,75.261 IC27.11@119.086,75.261 122.586,75.261 123.376,76.051 123.376,79.69 124.337,80.65 128.35,80.65 131.26,77.74 144.497,77.74 145.294,78.537 146.228,78.537 R239.2@146.764,79.073 ; R239.2@146.764,79.093 R239.2@146.764,79.073 ; v6(152.259,78.645) 151.455,78.645 D4.4@151.45,78.65 151.425,78.625 150.859,78.625 150.159,77.925 147.911,77.925 R239.2@146.764,79.073
  BottomLayer w0.127: v6(152.259,78.645) 152.291,78.613 152.713,78.613 153.1,79 164.1,79 165.464,77.636 214.002,77.636 J31.C5@215.139,76.5
1SERVMOD: IC4.AN1 R239.1 | length 64.2
  TopLayer w0.127: v1(127.7,34) IC4.AN1@128.2,34.5 ; v1@142.784,78.375 144.317,78.375 145.035,79.093 R239.1@145.824,79.093 145.824,79.073 R239.1@145.597,78.846
  Layer 5 w0.1: v1(127.7,34) 128.167,34 128.624,34.457 128.691,34.457 129.077,34.844 129.077,34.95 129.504,35.377 135.952,35.377 136.304,35.729 136.304,49.171 135.985,49.49 135.382,49.49 133.323,51.549 133.323,53.177 133.1,53.4 132.767,53.4 132.323,53.844 132.323,53.977 132.077,54.223 132.077,55.423 131.327,56.173 131.327,56.84 131.323,56.844 131.323,67.634 142.089,78.4 v1@142.784,78.4
  other v1: 142.784,78.367
2_PE_CLK_N: IC33.26 J31.E5 | length 28.3
  TopLayer w0.095: v1(188.687,76) 188.687,76.056 188.839,76.208 188.839,76.392 188.7,76.531 IC33.26@188.7,76.825
  Layer 6 w0.08: v1(188.687,76) 188.687,75.953 188.847,75.793 188.847,75.452 189.457,74.841 199.063,74.841 201.633,77.412 211.039,77.412 212.339,77.412 212.888,77.412 213,77.3 213,76.901 212.599,76.5 J31.E5@212.339,76.5
2_PE_CLK_P: IC33.27 J31.D5 | length 28.2
  TopLayer w0.095: IC33.27@189.2,76.825 189.2,76.531 189.061,76.392 189.061,76.208 189.214,76.056 v1(189.214,76)
  Layer 6 w0.08: v1(189.214,76) 189.214,75.953 189.054,75.793 189.054,75.538 189.543,75.048 198.977,75.048 201.547,77.619 212.974,77.619 213.207,77.386 213.207,76.85 213.556,76.5 J31.D5@213.739,76.5
2_SERVMOD: D4.3 IC27.13 J31.F5 R191.1 R249.2 | length 108.2
  TopLayer w0.127: R191.1@115.333,84.143 115.333,78.027 116.8,76.561 IC27.13@119.086,76.561 121.775,76.561 122.374,77.16 122.374,79.515 124.069,81.21 130.018,81.21 131.159,80.07 144.507,80.07 144.672,80.235 144.685,80.235 145.07,80.619 145.336,80.619 145.466,80.749 146.31,80.749 146.764,80.296 146.764,80.269 146.99,80.042 147.146,80.042 148.538,78.65 D4.3@149.25,78.65 v6(150.025,78.65)
  BottomLayer w0.127: v6(150.025,78.65) 151.525,78.65 152.775,77.4 154.8,77.4 210.039,77.4 J31.F5@210.939,76.5
2SERVMOD: IC4.AP1 R249.1 | length 64.8
  TopLayer w0.127: v1(127.7,33) IC4.AP1@128.2,33.5 ; v1(145.22,80.256) 145.804,80.256 R249.1@145.824,80.276
  Layer 5 w0.1: v1(127.7,33) 128.151,33.451 128.7,33.451 129.122,33.873 129.122,33.955 129.544,34.377 136.61,34.377 137.304,35.071 137.304,50.396 136.457,51.243 135.924,51.243 135.323,51.844 135.323,52.077 135.077,52.323 135.077,53.156 134.61,53.623 134.544,53.623 134.2,53.967 134.2,54.033 133.795,54.439 133.728,54.439 133.304,54.863 133.304,55.731 132.304,56.731 132.304,62.099 133.05,62.845 133.05,66.074 145.22,78.244 v1(145.22,80.256)
3_PE_CLK_N: IC33.29 J31.H5 | length 27.9
  TopLayer w0.095: v1(190.19,75.846) 190.19,75.902 190.342,76.055 190.342,76.18 190.339,76.183 190.339,76.392 190.2,76.531 IC33.29@190.2,76.825
  Layer 5 w0.08: v1(190.19,75.846) 190.19,75.8 190.35,75.64 190.35,74.357 190.625,74.082 191.463,74.082 191.649,74.082 191.953,74.386 191.953,74.608 192.135,74.79 192.5,74.79 192.683,74.608 192.683,73.678 192.987,73.374 193.523,73.374 193.827,73.678 193.827,74.608 194.009,74.79 194.374,74.79 194.557,74.608 194.557,73.678 194.861,73.374 195.397,73.374 195.701,73.678 195.701,73.9 195.883,74.082 196.279,74.082 197.366,74.082 200.671,77.388 208.464,77.388 208.735,77.117 208.735,77.003 208.735,76.851 208.384,76.5 J31.H5@208.139,76.5
3_PE_CLK_P: IC33.30 J31.G5 | length 27.9
  TopLayer w0.095: IC33.30@190.7,76.825 190.7,76.531 190.561,76.392 190.561,76.275 190.564,76.272 190.564,76.055 190.717,75.902 v1(190.717,75.846)
  Layer 5 w0.08: v1(190.717,75.846) 190.717,75.8 190.557,75.64 190.557,74.443 190.711,74.289 191.463,74.289 191.563,74.289 191.746,74.472 191.746,74.693 192.05,74.997 192.586,74.997 192.89,74.693 192.89,73.764 193.072,73.581 193.437,73.581 193.62,73.764 193.62,74.693 193.924,74.997 194.46,74.997 194.764,74.693 194.764,73.764 194.946,73.581 195.311,73.581 195.494,73.764 195.494,73.985 195.798,74.289 196.279,74.289 197.28,74.289 200.586,77.595 208.55,77.595 208.942,77.202 208.942,76.918 208.942,76.851 209.293,76.5 J31.G5@209.539,76.5
3_SERVMOD: D4.1 IC27.14 J31.I5 R182.1 R290.2 | length 104.3
  TopLayer w0.127: R182.1@115.811,82.239 115.811,78.848 117.448,77.211 IC27.14@119.086,77.211 121.478,77.211 121.865,77.598 121.865,79.465 123.856,81.456 130.844,81.456 131.634,80.666 141.665,80.666 142.201,81.202 143.817,81.202 R290.2@144.271,80.748 ; R290.2@144.271,80.728 R290.2@144.271,80.748 ; R290.2@144.271,80.735 R290.2@144.271,80.748 ; J31.I5@206.739,76.5 205.939,77.3 197.06,77.3 193.152,73.392 180.152,73.392 174.867,78.677 154.598,78.677 152.7,80.575 150.825,80.575 150.2,79.95 D4.1@149.25,79.95 147.978,79.95 146.952,80.976 145.372,80.976 145.37,80.975 144.497,80.975 R290.2@144.271,80.748
3SERVMOD: IC4.AN2 R290.1 | length 63.7
  TopLayer w0.127: v1(128.7,34) IC4.AN2@129.2,34.5 ; v1(142.7,80.683) 143.286,80.683 R290.1@143.331,80.728
  Layer 5 w0.1: v1(128.7,34) 129.327,34.627 129.54,34.627 129.544,34.623 129.856,34.623 129.86,34.627 131.54,34.627 131.544,34.623 135.856,34.623 136.323,35.09 136.323,35.156 136.667,35.5 136.733,35.5 137.077,35.844 137.077,50.156 136.758,50.475 135.758,50.475 134.75,51.483 134.683,51.483 134.077,52.09 134.077,53.09 133.077,54.09 133.077,55.156 132.6,55.633 132.6,55.9 132.077,56.423 132.077,67.022 143.7,78.645 143.7,80.325 143.342,80.683 v1(142.7,80.683)